# Altium PCB Processor_unit.PcbDoc (part 1 of 2) (continued)
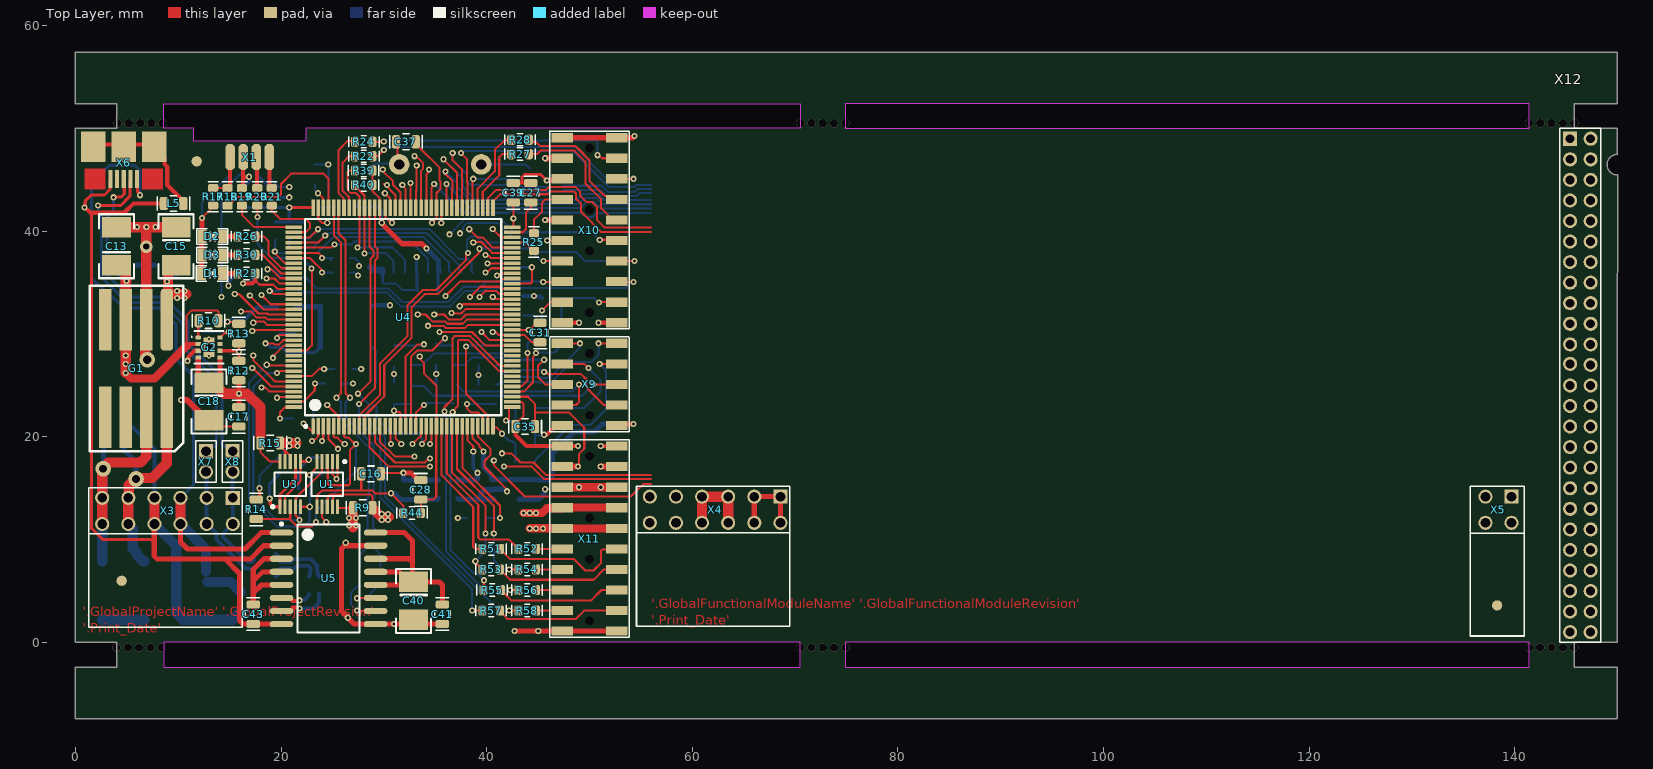
[diagram p0: Top Layer view]
## Footprints (in the part's own frame and the unit in brackets; to place one, negate y for a bottom-side part, rotate by r counter-clockwise, add the part's x,y. Pads: shape width x height; smd on the part's side, far side on the other; paste and mask are expansions set on the pad) (continued)
  silkscreen extent -39,-551 496,35, body extent -13,-550 504,50, height 200
PLD2-50 [mil]
  rect 54x54 hole 34: 1(0,0)
  round 54 hole 34: 2(78.74,0) 3(0,-78.74) 4(78.74,-78.74) 5(0,-157.48) 6(78.74,-157.48) 7(0,-236.22) 8(78.74,-236.22) 9(0,-314.96) 10(78.74,-314.96) 11(0,-393.7) 12(78.74,-393.7) 13(0,-472.44) 14(78.74,-472.44) 15(0,-551.18) 16(78.74,-551.18) 17(0,-629.92) 18(78.74,-629.92) 19(0,-708.66) 20(78.74,-708.66) 21(0,-787.4) 22(78.74,-787.4) 23(0,-862.2) 24(78.74,-866.14) 25(0,-944.88) 26(78.74,-944.88) 27(0,-1023.62) 28(78.74,-1023.62) 29(0,-1102.36) 30(78.74,-1102.36) 31(0,-1181.1) 32(78.74,-1181.1) 33(0,-1259.84) 34(78.74,-1259.84) 35(0,-1338.58) 36(78.74,-1338.58) 37(0,-1417.32) 38(78.74,-1417.32) 39(0,-1496.06) 40(78.74,-1496.06) 41(0,-1574.8) 42(78.74,-1574.8) 43(0,-1653.54) 44(78.74,-1653.54) 45(0,-1732.28) 46(78.74,-1732.28) 47(0,-1811.02) 48(78.74,-1811.02) 49(0,-1889.76) 50(78.74,-1889.76)
  silkscreen extent -39,-1929 118,39, body extent -69,-2071 148,181, height 220
"SD-card holder" [mm] "SD-card"
  rect 0.7x1.6 smd: 1(2.225,10.5) 2(1.125,10.5) 3(0.025,10.5) 4(-1.075,10.5) 5(-2.175,10.5) 6(-3.275,10.5) 7(-4.375,10.5) 8(-5.475,10.5) Gd(-6.575,10.5)
  rect 1.2x2 smd: MP0(-7.75,0.4) MP0(7.75,0.4)
  rect 1.2x1.4 smd: MP0(-7.75,10)
  round 2 hole 1: MP0(-4.93,0) MP0(3.05,0)
  rect 1.6x1.4 smd: MP0(6.85,10)
  silkscreen extent -7.3,-3.6 7.4,10.2, body extent -8,-3.98 8,11.27, height 1.93
SMD_0603#1 [mm]
  rrect50% 0.8x1 smd: 1(0,0) 2(1.7,0)
  silkscreen extent -0.64,-0.6 2.32,0.6, body extent 0.04,-0.42 1.68,0.43, height 0.43
SMD_0603#2 [mm]
  rect 0.8x1 smd: 1(0,0) 2(1.7,0)
  silkscreen extent -0.64,-0.6 2.32,0.6, body extent 0.04,-0.42 1.68,0.43, height 0.43
SMD_0805#1 [mm]
  rrect50% 0.8x1.3 smd: 1(0,0) 2(1.9,0)
  silkscreen extent -0.64,-0.76 2.54,0.76, body extent -0.05,-0.62 1.95,0.63, height 0.43
SMD_0805#2 [mm]
  rect 0.8x1.3 smd: 1(0,0) 2(1.9,0)
  silkscreen extent -0.64,-0.76 2.54,0.76, body extent -0.05,-0.62 1.95,0.63, height 0.43
SMD_7050_Crystal_Oscillator [mm]
  rrect50% 2x2 smd: 1(0,0)
  rect 2x2 smd: 2(5.08,0) 3(5.08,4) 4(0,4)
  silkscreen extent -1.22,-0.72 6.32,4.72, body extent -0.95,-0.5 6.05,4.52, height 1.52
SMD_size_B [mm]
  rect 2x2.8 smd: 1(0,0) 2(3.683,0)
  silkscreen extent -1.27,-1.7 4.95,1.7, body extent 0.1,-1.4 3.6,1.4, height 1.9
SMD_size_C [mm]
  rect 2.3x2.5 smd: 1(0,0) 2(5.7,0)
  silkscreen extent -1.4,-1.8 7.1,1.8, body extent -0.2,-1.6 5.8,1.6, height 2.5
SOIC-16-WIDE [mm] "SOIC, 16-Leads, Body 10.3x7.5mm, Pitch 1.27mm, IPC Medium Density"
  oval 2.3x0.6 smd: 1(0,-0.005) 2(0,-1.275) 3(0,-2.545) 4(0,-3.815) 5(0,-5.085) 6(0,-6.355) 7(0,-7.625) 8(0,-8.895) 9(9.15,-8.895) 10(9.15,-7.625) 11(9.15,-6.355) 12(9.15,-5.085) 13(9.15,-3.815) 14(9.15,-2.545) 15(9.15,-1.275) 16(9.15,-0.005)
  silkscreen extent -0.12,-9.7 7.6,0.97, body extent -0.67,-9.62 9.82,0.73, height 2.65
TDN_5_WISM [mm] "DC/DC converter case"
  rect 6x1.2 smd: 1(0,0) 2(0,2) 3(0,4) 4(0,6) 6(9.5,2) 7(9.5,4) 8(9.5,6)
  rrect50% 6x1.2 smd: 5(9.5,0)
  silkscreen extent -3.3,-1.6 12.8,7.5, body extent -2.29,-1.56 11.91,7.54, height 10.13
TSOT-5 [mm]
  rect 0.95x0.6 smd: 1(0,0) 2(0,-0.95) 3(0,-1.9) 4(2.45,-1.9) 5(2.45,0)
  silkscreen extent -0.72,-2.65 3.17,0.97, body extent -0.28,-2.5 2.72,0.6, height 1.1
"USB Micro-BF smd" [mm]
  rect 2.4x3 smd: 0(-2.975,-3.125) 0(0,-3.125) 0(2.975,-3.125)
  rect 0.4x1.75 smd: 1(-1.3,0) 2(-0.65,0) 3(0,0) 4(0.65,0) 5(1.3,0)
  Top Layer region: -2.3,-2
  Top Layer region: -1.8,1 -1.8,-1 -3.8,-1 -3.8,1
  Top Layer region: 3.8,1 3.8,-1 1.8,-1 1.8,1
  body extent -3.93,-4.45 3.87,0.55, height 2.93
uSiL-8 [mm] "microSiP 9-pin 3.0x2.8mm"
  rrect50% 0.5x0.4 smd: 1(0,0)
  rect 0.5x0.4 smd: 2(0,-0.65) 3(0,-1.3) 4(0,-1.95) 5(2.1,-1.95) 6(2.1,-1.3) 7(2.1,-0.65) 8(2.1,0)
  rect 1.1x1.9 smd: 9(1.05,-0.975)
  silkscreen extent -0.7,-2.55 2.45,0.6, body extent -0.35,-2.47 2.45,0.53, height 1.53
VSSOP-10 [mm] "Small Outline Package, 10-pin, 3x3mm, 1.1mm height"
  rrect50% 1.45x0.3 smd: 1(0,0)
  rect 1.45x0.3 smd: 2(0,-0.5) 3(0,-1) 4(0,-1.5) 5(0,-2) 6(4.4,-2) 7(4.4,-1.5) 8(4.4,-1) 9(4.4,-0.5) 10(4.4,0)
  silkscreen extent -0.12,-2.55 3.35,0.83, body extent -0.25,-2.55 4.65,0.55, height 1.1

## Part data
C1 C2 C3 C4 C5 C6 C7 C8 C9 C12 C14 C16 C17 C19 C20 C21 C22 C23 C24 C25 C26 C27 C28 C29 C30 C31 C32 C33 C34 C35 C36 C37 C38 C39 C41 C42 C43 C45 C46: library part Capacitor, "Capacitor", Назначение=SMD-конденсатор, Наименование=Конденсатор, Потребление, Вт=0
C10 C11 C13 C15 C18 C40 C44: library part Capacitor_pol, "Polarized capacitor", Назначение="Поляризованный SMD-конденсатор", Наименование="Поляризованный конденсатор", Потребление, Вт=0
G1: library part TDN_5, "DC/DC converter", DataSheet=https://www.tracopower.com/sites/default/files/products/datasheets/tdn5wi_datasheet.pdf, Назначение="DC-DC преобразователь", Наименование="TDN 5-4821WI", Потребление, Вт=0,01
G2: "17-V Input 3-A Step-Down Converter MicroSiP™ Module with Integrated Inductor", ComponentLink1Description="Data sheet", ComponentLink1URL=http://www.ti.com/lit/ds/symlink/tps82130.pdf, DataSheet=https://www.ti.com/lit/ds/symlink/tps82130.pdf?ts=1592813288219&ref_url=https%253A%252F%252Fwww.google.com%252F, Назначение="17-V Input 3-A Step-Down Converter MicroSiP™ Module with Integrated Inductor", Наименование=TPS82130, Потребление, Вт=1,0
GK1: library part Crystal_Oscillator, "Crystall oscillator, CMOS, 3.3V, SMD7050", ComponentLink1Description=DataSheet, ComponentLink1URL=http://www.lit-phonon.ru/downloads/GK108-P.pdf, Назначение="Кварцевый генератор", Наименование=VCC1-B3B-10M, Потребление, Вт=0,165
L1 L2 L3 L5: library part Inductor, "Inductor", Назначение=SMD-индуктивность, Наименование=Индуктивность, Потребление, Вт=0,010
L4 L6: library part Inductor_coupled, "Coupled inductor", Назначение="Связанная индуктивность", Наименование=PLT10HH1026R0PN, Потребление, Вт=0,1
R1 R2 R3 R4 R5 R6 R7 R8 R9 R10 R11 R12 R13 R14 R15 R16 R17 R18 R19 R20 R21 R22 R23 R24 R25 R26 R27 R28 R29 R30 R31 R32 R33 R34 R35 R36 R37 R38 R39 R40 R41 R42 R43 R44 R45 R46 R47 R48 R49 R50 R51 R52 R53 R54 R55 R56 R57 R58: library part Resistor, "Resistor", Назначение=SMD-резистор, Наименование=Резистор, Потребление, Вт=0,001
U1 U3: library part INA226, "High- or Low-Side Measurement, Bidirectional Current and Power Monitor With I2C Interface", ComponentLink1Description="Data sheet", ComponentLink1URL=http://www.ti.com/lit/ds/symlink/ina226.pdf, DataSheet=https://www.ti.com/lit/ds/symlink/ina226.pdf?ts=1592809211957&ref_url=https%253A%252F%252Fwww.google.com%252F, Назначение="High-Side or Low-Side Measurement,", Наименование=INA226, Потребление, Вт=0,001
U2: "Micropower, Low Noise Precision Voltage Reference with Shutdown, 2.5 V Output, 2.8 to 15 V Supply, Industrial, 5-pin SOT23 (UJ-5), Reel", DataSheet=https://www.analog.com/media/en/technical-documentation/data-sheets/ADR390.pdf, Назначение="Источник опорного напряжения", Наименование=ADR390, Потребление, Вт=0,001
U4: library part STM32F405ZGT, "ARM Cortex-M4 32-bit MCU+FPU, 210 DMIPS, 1024 kB Flash, 192 kB Internal RAM, 114 I/Os, 144-pin LQFP, -40 to 105 degC, Tray", ComponentLink1Description=Datasheet, ComponentLink1URL=http://www.st.com/st-web-ui/static/active/en/resource/technical/document/datasheet/DM00037051.pdf, DataSheet=https://www.st.com/content/ccc/resource/technical/document/reference_manual/3d/6d/5a/66/b4/99/40/d4/DM00031020.pdf/files/DM00031020.pdf/jcr:content/translations/en.DM00031020.pdf, HalManual=https://www.st.com/resource/en/user_manual/dm00105879-description-of-stm32f4-hal-and-ll-drivers-stmicroelectronics.pdf, Назначение="ARM Cortex-M4 32-bit MCU+FPU", Наименование=STM32F405ZGT7, Потребление, Вт=0.2
U5: library part ADuM4160, "Quad Channel Digital Isolator, 2.5 KV rms Insulation Rating", DataSheet=https://www.analog.com/media/en/technical-documentation/data-sheets/ADuM4160.pdf, Назначение="цифровой изолятор шины USB", Наименование=ADuM4160, Потребление, Вт=0,025
X1: library part "EDGE 2X4", Назначение="Разъем для прошивки МК", Потребление, Вт=0
X2: library part "SD-card holder", "SD-card holder", Назначение="Слот под SD-карту", Наименование=SD-card
X3 X4: library part PLD2-12, "Header, 12-Pin, Dual row", Назначение="Header, 12-Pin, Dual row", Наименование=PLD2-12, Потребление, Вт=0,0
X5: library part PLD2-4, "Header, 4-Pin, Dual row", Назначение="Header, 4-Pin, Dual row", Наименование=PLD2-4, Потребление, Вт=0,0
X6: library part MicroUSB, "USB mico-BF", Назначение="Разъем на плату", Наименование=Micro-BF, Потребление, Вт=0
X7 X8: library part PLD2-2, "Header, 2-Pin, Dual row", Назначение="Header, 2-Pin, Dual row", Наименование=PLD2-2, Потребление, Вт=0,0
X9: library part PLD2-10, "Header, 10-Pin, Dual row", Назначение="Header, 10-Pin, Dual row", Наименование=PLD2-10, Потребление, Вт=0,0
X10 X11: library part PLD2-20, "Header, 12-Pin, Dual row", Назначение="Header, 20-Pin, Dual row", Наименование=PLD2-20, Потребление, Вт=0,0
X12: library part PLD2-50, "Header, 50-Pin, Dual row", Назначение="Header, 20-Pin, Dual row", Наименование=PLD2-50, Потребление, Вт=0,0
D1 D2 D3: Назначение=Светодиод, Наименование=SMD-LED, Потребление, Вт=0,01

## Free pads (board coordinates)
  round 1.524 hole 0.762: 2(2.7,16.9) 3(5.9,15.9)
  round 1 smd far side mask+2: 4(3,30.2) 4(34,3.6) 4(138.3,3.6)
  round 1 smd mask+2: 4(4.5,6) 4(11.8,46.8) 4(138.3,3.6)

## Via types
v1: diameter 0.6, hole 0.3, Top Layer to Bottom Layer, 243 vias
v2: diameter 0.8, hole 0.8, Top Layer to Bottom Layer, 30 vias
v3: diameter 0.5, hole 0.2, Top Layer to Bottom Layer, 2 vias
v4: diameter 1.2, hole 0.6, Top Layer to Bottom Layer, 1 vias
v5: diameter 1.5, hole 0.8, Top Layer to Bottom Layer, 1 vias
v6: diameter 1.1, hole 0.8, Top Layer to Bottom Layer, 1 vias

## Nets (pads, with @x,y where several pads share a name; then routed paths per layer and width w, separated by ;. In a path a pad name is that pad's centre, name@x,y a point inside that pad or via, vN(x,y) a via of type N, cw(c..) or ccw(c..) an arc to the next point about the centre after c; other vN are vias at no path point)
2V048: C20.2 U2.3 U2.4 U4.32 X9.9 | length 25
  Top Layer w0.2: U4.32@38.625,21.025 38.625,19.875 39.312,19.188 39.312,19.05 39.7,18.662 v1(39.7,18.59)
  Top Layer w0.5: X9.9@52.649,21.1 52.783,21.233 54.281,21.233 v1(54.3,21.252)
  Bottom Layer w0.5: v1(39.7,18.59) 39.7,17.073 40.475,16.298 40.475,15.905 40.525,15.855 U2.4@43.15,15.855 44.745,15.855 C20.2@44.8,15.8 46,15.8 46.4,16.2 46.4,18.4 48.5,20.5 50.5,20.5 51.252,21.252 v1(54.3,21.252)
3.3V: C16.2 C22.2 C23.2 C24.2 C25.2 C29.2 C30.2 C31.2 C32.2 C33.2 C34.2 C35.2 C36.2 C37.2 C38.2 C39.2 GK1.1 GK1.4 L1.1 R14.1 R15.2 R16.2 R23.2 R34.2 R35.2 R36.2 R37.2 R38.2 R39.2 R40.2 R43.2 R44.1 U1.6 U3.2 U3.6 U3.8 U3.9 U4.6 U4.17 U4.30 U4.39 U4.52 U4.62 U4.72 U4.84 U4.95 U4.108 U4.121 U4.131 U4.144 X1.B3 X2.4 X10.4 X11.3 X11.4 | length 160.7
  Top Layer w0.2: R23.2@17.5,35.9 17.5,35.2 17.907,34.793 18.641,34.793 ; v1(18.5,29.1) 19.251,29.1 19.351,29 19.848,29 20.2,29.351 20.2,29.4 U4.131@21.25,29.4 ; 18.651,34.793 19.264,34.793 19.657,34.4 U4.121@21.25,34.4 ; R15.2@19.9,19.4 19.9,19.125 20.4,18.625 ; v1(19.9,21.8) 19.9,22.4 20.4,22.9 U4.144@21.25,22.9 ; U3.2@20.4,13.2 20.4,14.2 21.9,15.7 U3.6@21.9,17.6 ; U3.9@20.4,17.6 20.4,18.625 ; U3.8@20.9,17.6 20.9,18.175 20.575,18.5 20.525,18.5 20.4,18.625 ; U1.6@23.5,13.2 23.5,14.3 24,14.8 28.866,14.8 29.166,14.5 v1@30.7,14.5 ; v1(24.5,23.112) 24.5,23.1 25.625,21.975 U4.6@25.625,21.025 ; R39.2@28.9,45.9 28.904,45.896 28.904,43.9 29.6,43.204 29.6,42.3 U4.95@29.625,42.275 29.625,41.107 29.8,40.932 v1(29.8,40.824) ; v1(30.71,14.51) v1@30.7,14.5 ; U4.17@31.125,21.025 31.125,19.875 v1(31.7,19.3) ; R44.1@31.9,12.6 31.9,13.3 v1@30.7,14.5 ; C37.2@33.115,48.489 33.454,48.15 33.457,48.15 35.4,46.207 35.4,44.948 35.5,44.848 35.5,44.099 35.125,43.724 U4.84@35.125,42.275 35.125,41.225 34.724,40.824 v1(34.7,40.824) ; v1(36,33.7) 37.4,35.1 41.249,35.1 41.524,35.375 42.475,35.375 U4.62@42.5,35.4 ; U4.30@37.625,21.025 37.642,21.008 37.642,16.984 41.3,13.326 v1(41.3,12.1) ; U4.39@42.5,23.9 44,23.9 44.7,23.2 44.7,22.4 ; U4.52@42.5,30.4 v1(44.1,30.4) 44.196,30.4 44.896,31.1 C31.2@45.2,31.1 ; U4.72@42.5,40.4 42.525,40.4 42.6,40.475 v1(42.6,41.23) C39.2@42.6,42.8 ; C35.2@44.7,21 44.7,22.4 ; v1(48.9,17.1) 48.9,17.208 49,17.308 49,18.351 49.5,18.851 49.5,20.9 48.045,22.355 44.745,22.355 44.7,22.4
  Top Layer w0.22: 27.8,14.9 C16.2@27.8,16.4
  Top Layer w0.3: R14.1@17.6,13.9 17.9,14.2 v1(17.9,15) ; v1(20.8,42.3) 22.9,42.3 ; U3.6@21.9,17.6 v1@22.7,17.6
  Top Layer w0.4: v1(16.3,34.903) 17.203,34.903 17.5,35.2
  Top Layer w0.5: v1(29.8,40.824) 29.8,40.797 29.85,40.747 29.85,40.713 31.778,38.785 33.715,38.785 34.083,38.417 34.083,38.383 v1(34.153,38.314)
  Top Layer w0.6: v1(45.7,47.1) X10.4@47.35,47.1 ; X11.4@47.35,17.1 v1(48.9,17.1) ; v1(51.1,17.1) X11.3@52.65,17.1
  Top Layer w1: R15.2@19.9,19.4 21.5,19.4
  Bottom Layer w0.2: v1(17.9,15) 17.9,16.2 v1(20.8,19.1) ; v1(19.9,21.8) C36.2@21.2,21.8 ; R43.2@26,25.2 26.1,25.1 26.2,25.2 v1(27,25.2) ; C32.2@27.2,42.3 29.5,42.3 29.8,42 v1(29.8,40.824) ; C30.2@40,12.1 v1(41.3,12.1)
  Bottom Layer w0.3: R16.2@16.193,42.509 16.402,42.3 v1(20.8,42.3) ; X1.B3@17.596,47.206 17.596,45.565 19.861,43.3 v1(20.8,43.3) ; v1(18.5,29.1) 18.581,29.1 18.981,28.7 20.1,28.7 20.6,28.2 C34.2@21.3,28.2 23.32,28.2 GK1.4@23.82,28.7 ; R38.2@19.4,40.9 R37.2@20.8,40.9 ; R34.2@21.7,15 C24.2@21.7,16.6 ; C38.2@21.9,42.3 v1(20.8,42.3) ; C24.2@21.999,17.074 22.725,17.8 22.806,17.8 22.989,17.983 R35.2@23.817,17.983 ; R36.2@22.2,40.9 R37.2@20.8,40.9 ; C32.2@27.2,42.3 27.2,42.354 C32.2@27.446,42.6 ; C25.2@35.222,34.2 35.289,34.266 35.289,35.934 X2.4@35.355,36 ; R37.2@20.8,40.9 v1(20.8,42.3)
  Bottom Layer w0.4: v1(16.3,34.903) 17.066,34.903 17.3,35.138 17.3,35.7 C33.2@17.5,35.9
  Bottom Layer w0.5: C29.2@21.5,32.6 21.55,32.65 23.77,32.65 GK1.1@23.82,32.7 GK1.4@23.82,28.7 ; v1(30.71,14.51) 30.729,14.491 31.064,14.491 31.65,13.905 C22.2@33.6,13.905 35.2,13.905 L1.1@35.3,14.005 ; v1(34.153,38.314) 35.306,37.161 35.306,36.194 X2.4@35.4,36.1
  other v1: 22.7,17.775 21.6,19.1 20.8,19.7 21.6,19.7
3V3: C40.1 C41.2 U5.12 U5.13 U5.14 U5.16 | length 24.5
  Top Layer w0.5: U5.12@29.2,5.6 32.617,5.6 C40.1@32.9,5.883 ; U5.13@29.2,6.87 31.513,6.87 32.5,5.883 C40.1@32.9,5.883 ; U5.14@29.2,8.14 32.46,8.14 32.8,7.8 ; U5.16@29.2,10.68 32.02,10.68 32.8,9.9 32.8,7.8 ; C41.2@35.7,3.7 35.7,5.59 35.407,5.883 C40.1@32.9,5.883 ; 32.8,7.8 32.8,5.983 C40.1@32.9,5.883
3V3A: C21.2 L1.2 U2.1 U2.2 U4.33 | length 14.8
  Top Layer w0.2: U4.33@39.125,21.025 39.15,21 39.15,20.05 40.4,18.8 40.4,18.25 39.8,17.65 39.8,17.068 42,14.868 v1(42,14.701)
  Bottom Layer w0.5: L1.2@37.2,14.005 37.3,13.905 C21.2@39,13.905 C21.2@39.25,13.905 ; C21.2@39.275,13.93 40.675,13.93 U2.1@40.7,13.955 ; C21.2@39.4,14.055 39.4,14.42 39.835,14.855 40.65,14.855 U2.2@40.7,14.905 41.769,14.905 41.973,14.701 v1(42,14.701)
10MHz: GK1.3 R41.2 | length 3.9
  Bottom Layer w0.2: GK1.3@28.9,28.7 29.259,28.341 29.259,25.159 R41.2@29.1,25
+5V: R9.2 U1.8 U1.9 X11.7 X11.8 | length 19.3
  Top Layer w0.2: U1.8@24.5,13.2 24.55,13.25 24.55,14.15 24.8,14.4 25.4,14.4 ; U1.9@25,13.2 25.05,13.25 25.05,14.05 25.4,14.4 ; R9.2@28.9,13.1 28.9,14.2 28.7,14.4 25.4,14.4
  Top Layer w0.8: v1(43.6,12.6) 45.4,12.6 45.855,13.055 47.305,13.055 X11.8@47.35,13.1 47.375,13.125 52.625,13.125 X11.7@52.65,13.1
  Top Layer w1: R9.2@28.9,13.1 28.9,13.05 29.75,12.2 30.5,12.2
  other v1: 29.8,11.9 30.4,11.9 29.8,12.5 30.4,12.5 44.2,12.6 44.8,12.6
-5V: C14.1 C15.2 G1.5 X11.9 X11.10 | length 20.6
  Top Layer w0.8: v1(44.2,11.1) X11.10@47.35,11.1 47.375,11.075 52.625,11.075 X11.9@52.65,11.1
  Top Layer w1: C15.2@9.8,36.7 9.5,36.7 9,36.2 G1.5@9,33.9 ; 10.8,33.9 G1.5@9,33.9 ; G1.5@9,33.9 9,31.5 G1.5@8.9,31.4 8.9,33.8 G1.5@9,33.9
  Bottom Layer w0.6: v1(8.9,35.1) 9.6,35.8 ; 9.7,35.8 C14.1@9.7,36.7
  other v1: 44.8,11.1 45.5,11.1 9.9,33.5 10.6,33.5 9.9,34.2 10.6,34.2
A_GND: C1.1 C2.1 C3.1 C4.1 C5.1 C6.1 C7.1 C8.1 C20.1 C21.1 C45.1 C46.1 L2.2 U2.5 U4.31 X9.10 X10.19 X10.20 | length 26
  Top Layer w0.2: U4.31@38.125,21.025 38.125,19.675 38.7,19.1 v1(38.7,18.59)
  Top Layer w0.4: v1(45.6,20.2) 45.638,20.238 45.883,20.238 46.744,21.1 X9.10@47.349,21.1 ; X10.20@47.35,31.1 v1(49,31.1) ; v1(50.9,31.1) X10.19@52.65,31.1
  Bottom Layer w0.2: C5.1@31,25.3 C6.1@31,26.8 ; C8.1@35.1,25.1 v1(35.1,26.1) C7.1@35.1,27 ; C1.1@39.2,25.1 v1(39.2,26) C2.1@39.2,27 ; C3.1@44.7,19.29 44.7,20.14 ; C4.1@44.7,20.99 44.7,20.14 ; v1(45.6,20.2) 45.54,20.14 44.7,20.14
  Bottom Layer w0.3: v1(38.7,18.59) 38.7,16.981 39.1,16.581 v1(39.1,16.5)
  Bottom Layer w0.4: C46.1@43.6,33.7 v1(44.6,33.7) 44.638,33.662 45.238,33.662 C45.1@45.4,33.5
  Bottom Layer w0.5: L2.2@37.2,15.805 C21.1@39,15.805 39.1,15.905 v1(39.1,16.5) ; U2.5@43.15,13.955 43.177,13.928 44.772,13.928 C20.1@44.8,13.9 45.05,13.9 45.681,14.531 45.681,14.881 v1(45.7,14.9)
  other v1: 31,26.1
ADC_IN_1: R1.2 X9.1 | length 14.1
  Top Layer w0.2: v1(50.9,29.1) X9.1@52.649,29.1
  Bottom Layer w0.2: R1.2@40.9,25.1 41.15,25.1 41.388,25.338 41.556,25.338 41.567,25.35 45.136,25.35 45.186,25.3 46.014,25.3 46.064,25.35 46.352,25.35 48.302,27.3 50.225,27.3 50.9,27.975 v1(50.9,29.1)
ADC_IN_2: R2.2 X9.2 | length 12.3
  Top Layer w0.2: X9.2@47.349,29.1 v1(49.1,29.1)
  Bottom Layer w0.2: R2.2@40.9,27 41.086,27 41.379,26.708 41.379,26.521 42.1,25.8 45.251,25.8 45.351,25.7 45.848,25.7 45.948,25.8 46.2,25.8 49.023,28.623 49.023,29.023 v1(49.1,29.1) v1@49.1,28.992
ADC_IN_3: R3.2 X9.3 | length 15.5
  Top Layer w0.2: v1(51,27.1) X9.3@52.649,27.1
  Bottom Layer w0.2: R3.2@44.7,17.59 44.7,17.687 44.992,17.98 44.992,18.078 45.091,18.078 48.163,21.15 50.075,21.15 51.614,22.689 51.614,26.486 v1(51,27.1)
ADC_IN_4: R4.2 X9.4 | length 12.5
  Top Layer w0.2: X9.4@47.349,27.1 47.356,27.093 49.507,27.093 v1(49.9,26.7)
  Bottom Layer w0.2: R4.2@44.7,22.7 44.825,22.825 49.527,22.825 51.06,24.358 51.06,25.54 50.008,26.592 v1@49.9,26.592
ADC_IN_5: R5.2 X9.5 | length 20.9
  Top Layer w0.2: v1(50.4,25.1) X9.5@52.649,25.1
  Bottom Layer w0.2: R5.2@32.7,25.1 32.85,24.95 33.874,24.95 34.824,24 36.143,24 49.3,24 v1(50.4,25.1)
ADC_IN_6: R6.2 X9.6 | length 18.3
  Top Layer w0.2: 45,26.051 45,25.8 45.7,25.1 X9.6@47.349,25.1 ; 45,26.051 45,26.548 45,26.9 v1(45.6,27.5)
  Bottom Layer w0.2: R6.2@32.6,27 33.743,27 34.843,28.1 41.8,28.1 42.4,27.5 v1(45.6,27.5)
ADC_IN_7: R7.2 X9.7 | length 18.7
  Top Layer w0.2: v1(45.6,26.3) 45.6,26.5 46.017,26.083 46.183,26.083 46.2,26.1 49.196,26.1 49.714,25.582 49.714,24.786 51.4,23.1 X9.7@52.649,23.1
  Bottom Layer w0.2: R7.2@36.8,27 37.843,27 38.543,27.7 40.243,27.7 41.557,27.7 42.734,26.524 v1@45.6,26.524
ADC_IN_8: R8.2 X9.8 | length 16
  Top Layer w0.2: X9.8@47.349,23.1 48.7,23.1 49,23.4 v1(49,25.1)
  Bottom Layer w0.2: R8.2@37.096,25.1 37.35,24.846 37.35,24.8 37.75,24.4 48.3,24.4 v1(49,25.1)
ADC_MC_IN_1: C1.2 R1.1 U4.34 | length 6
  Top Layer w0.2: v1(38.1,23.2) 38.1,22.738 38.491,22.347 39.202,22.347 39.6,21.949 39.6,21.05 U4.34@39.625,21.025
  Bottom Layer w0.2: v1(38.1,23.2) 39.2,23.2 R1.1@40.9,23.2
ADC_MC_IN_2: C2.2 R2.1 U4.35 | length 11.6
  Top Layer w0.2: v1(38,28.8) 38,24.2 40.125,22.075 U4.35@40.125,21.025
  Bottom Layer w0.2: v1(38,28.8) 38.108,28.8 38.208,28.9 R2.1@40.9,28.9
ADC_MC_IN_3: C3.2 R3.1 U4.36 | length 4.8
  Top Layer w0.2: U4.36@40.65,21 U4.36@40.625,21.025 40.625,20.975 40.7,20.9 41,20.9 41.5,20.4 v1(41.5,20.3) v1@41.5,20.2
  Bottom Layer w0.2: v1(41.5,20.3) 42.2,19.6 42.508,19.6 42.8,19.308 C3.2@42.8,19.29 R3.1@42.8,17.59
ADC_MC_IN_4: C4.2 R4.1 U4.37 | length 5
  Top Layer w0.2: v1(41.9,21.6) 41.9,21.44 42.1,21.64 42.1,21.657 42.177,21.734 42.177,22.825 42.252,22.9 U4.37@42.5,22.9
  Bottom Layer w0.2: v1@41.9,21.497 42.38,21.497 42.4,21.478 42.508,21.478 42.8,21.185 C4.2@42.8,21.077 ; v1@41.9,21.497 v1(41.9,21.6) ; C4.2@42.8,20.99 C4.2@42.8,21.077 ; R4.1@42.8,22.7 C4.2@42.8,21.077
ADC_MC_IN_5: C5.2 R5.1 U4.18 | length 4.3
  Top Layer w0.2: v1(31,22.541) 31.117,22.424 31.477,22.423 31.625,22.275 U4.18@31.625,21.025
  Bottom Layer w0.2: v1(31,22.541) 31,23.2 R5.1@32.7,23.2
ADC_MC_IN_6: C6.2 R6.1 U4.19 | length 12
  Top Layer w0.2: U4.19@32.125,21.025 32.125,27.839 33.286,29 v1(33.9,29)
  Bottom Layer w0.2: C6.2@31,28.9 R6.1@32.6,28.9 33.8,28.9 v1(33.9,29)
ADC_MC_IN_7: C7.2 R7.1 U4.20 | length 13.5
  Top Layer w0.2: U4.20@32.625,21.025 32.625,27.774 33.251,28.4 34.698,28.4 35.888,29.591 v1(35.941,29.591)
  Bottom Layer w0.2: C7.2@35.1,28.9 C7.2@35.296,28.9 ; v1(35.941,29.591) 35.941,29.541 35.3,28.9 C7.2@35.296,28.9 ; R7.1@36.8,28.9 C7.2@35.296,28.9
ADC_MC_IN_8: C8.2 R8.1 U4.21 | length 5.4
  Top Layer w0.2: U4.21@33.125,21.025 33.125,22.325 v1(33.9,23.1)
  Bottom Layer w0.2: v1(33.9,23.1) 34.008,23.1 34.185,23.277 35.077,23.277 C8.2@35.1,23.3 R8.1@36.8,23.3
CAN_RX: R29.2 X10.11 | length 30.2
  Top Layer w0.2: v1@51.046,39.173 52.577,39.173 X10.11@52.65,39.1
  Layer 1 w0.2: v1@27.782,36.585 30.342,36.585 33.072,39.314 36.014,39.314 v1(36.4,39.7)
  Bottom Layer w0.2: R29.2@26.7,37.4 27.183,37.4 27.6,36.983 27.58,36.963 v1(27.58,36.61) ; v1(36.4,39.7) 37.915,41.215 41.385,41.215 42.7,39.9 50.246,39.9 ; v1@50.997,39.148 50.246,39.9 ; v1(51.009,39.136) 50.246,39.9
CAN_RX_2: U4.73 | length 18.8
  Top Layer w0.2: U4.73@40.625,42.275 40.625,42.9 41.325,43.6 41.5,43.6 44.957,43.6 45.123,43.6 45.931,43.6 46.176,43.845 46.251,43.845 47.63,43.845 48.524,43.845 48.7,43.669 48.7,43.175 49.2,42.675 49.2,41.875 49.487,41.587 51.158,39.917 56,39.917
CAN_TX: R31.2 X10.12 | length 23.8
  Top Layer w0.2: v1(45.9,39.1) X10.12@47.35,39.1
  Layer 1 w0.2: v1(27.5,35.7) 30.124,35.7 33.338,38.914 36.462,38.914 37.349,39.8 v1(37.4,39.8)
  Bottom Layer w0.2: R31.2@26.7,36 27.2,36 v1(27.5,35.7) ; v1(37.4,39.8) 37.4,39.908 37.714,40.222 37.714,40.449 38.081,40.815 41.085,40.815 42.5,39.4 45.583,39.4 45.883,39.1 v1(45.9,39.1)
CAN_TX_2: U4.74 | length 19.9
  Top Layer w0.2: U4.74@40.125,42.275 40.15,42.3 40.15,43.25 40.9,44 45.765,44 46.084,44.319 ; 46.051,44.284 46.084,44.317 48.618,44.317 49.1,43.835 49.1,43.466 49.741,42.825 50.3,42.825 50.725,42.4 50.725,41.106 51.476,40.355 56,40.355
CLK_SDIO: U4.113 X2.5 | length 15.4
  Top Layer w0.2: U4.113@21.25,38.4 24.9,38.4 v1(25.2,38.7)
  Bottom Layer w0.2: v1(25.2,38.7) 26.829,38.7 27.153,39.024 32.594,39.024 34.3,37.318 34.3,36.045 X2.5@34.255,36
CMD_SDIO: R38.1 U4.116 X2.3 | length 23.4
  Top Layer w0.2: v1(19.4,38.019) 19.4,37.851 20.326,36.925 21.225,36.925 U4.116@21.25,36.9
  Bottom Layer w0.2: R38.1@19.4,39.2 19.5,39.1 19.4,39 19.4,37.9 23.551,37.9 25.051,39.4 25.08,39.4 25.104,39.424 33.891,39.424 36.332,36.983 36.332,36.123 X2.3@36.455,36
D0_SDIO: R40.1 U4.98 X2.8 | length 11.3
  Top Layer w0.2: R40.1@27.2,44.5 27.2,44.4 28.125,43.475 U4.98@28.125,42.275 28.125,37.846 v1(28.124,37.844)
  Bottom Layer w0.2: v1(28.124,37.844) 28.176,37.897 30.137,37.897 30.955,37.079 X2.8@30.955,36
D1_SDIO: R39.1 U4.99 X2.7 | length 15.3
  Top Layer w0.2: 26.455,44.175 26.455,45.755 26.61,45.91 27.19,45.91 R39.1@27.2,45.9 ; 26.456,44.175 26.5,44.131 26.5,43.993 26.793,43.7 27.3,43.7 27.625,43.375 27.625,38.701 27.456,38.532 v1(27.456,38.424)
  Bottom Layer w0.2: v1(27.456,38.424) 27.476,38.444 30.841,38.444 32.055,37.23 X2.7@32.055,36
D2_SDIO: R36.1 U4.111 X2.1 | length 21.9
  Top Layer w0.2: U4.111@21.25,39.4 22.8,39.4 v1(23.6,40.2)
  Bottom Layer w0.2: R36.1@22.2,39.2 22.3,39.3 22.8,39.3 23.6,40.1 v1(23.6,40.2) 23.624,40.224 34.415,40.224 37.347,37.292 38.218,37.292 38.528,36.983 38.528,36.127 X2.1@38.655,36
D3_SDIO: R37.1 U4.112 X2.2 | length 23.1
  Top Layer w0.2: U4.112@21.25,38.9 23.6,38.9 24.276,39.576 v1(24.3,39.576)
  Bottom Layer w0.2: R37.1@20.8,39.2 20.8,38.6 21,38.4 23.1,38.4 v1@24.241,39.541 ; v1(24.3,39.576) 24.369,39.576 24.617,39.824 34.205,39.824 37.305,36.724 37.305,36.25 X2.2@37.555,36
D_IN_1_N: R48.2 U5.11 | length 4.6
  Top Layer w0.2: v1(27.4,4.3) 27.415,4.315 29.185,4.315 U5.11@29.2,4.33
  Bottom Layer w0.2: v1(27.4,4.3) 28.25,4.3 29.45,5.5 R48.2@29.7,5.5
D_IN_1_P: R47.2 U5.10 | length 5
  Top Layer w0.2: v1(27.4,3.1) 27.42,3.08 29.18,3.08 U5.10@29.2,3.06
  Bottom Layer w0.2: v1(27.4,3.1) 26.8,3.7 26.8,4.85 27.45,5.5 R47.2@27.7,5.5
D_IN_2_N: L6.1 R48.1 | length 2
  Bottom Layer w0.2: L6.1@29.2,9.2 29.2,9.05 29.7,8.55 R48.1@29.7,7.4
D_IN_2_P: L6.4 R47.1 | length 2
  Bottom Layer w0.2: R47.1@27.7,7.4 27.7,8.55 28.2,9.05 L6.4@28.2,9.2
D_IN_3_N: L6.2 U4.103 | length 33.5
  Top Layer w0.2: U4.103@25.625,42.275 25.6,42.25 25.6,41.351 25.6,39.785 26.275,39.11 26.275,24.225 v1(26.7,23.8)
  Bottom Layer w0.2: v1@26.704,23.794 26.694,23.794 26.275,23.375 26.275,21.9 29.001,19.174 29.001,14.567 29.091,14.477 29.091,14.029 28.969,13.908 28.969,12.507 ; 28.97,12.506 28.97,11.367 29,11.337 29,11.1 L6.2@29.2,10.9 L6.2@29.2,11.05
D_IN_3_P: L6.3 U4.104 | length 33.4
  Top Layer w0.2: U4.104@25.125,42.275 25.15,42.25 25.15,39.599 25.825,38.924 25.825,24.225 v1(25.4,23.8)
  Bottom Layer w0.2: v1(25.4,23.8) 25.4,23.692 25.508,23.692 25.825,23.375 25.825,21.714 28.551,18.988 28.551,14.253 28.429,14.131 28.429,12.283 ; L6.3@28.2,10.9 28.4,11.1 28.4,11.337 28.43,11.367 28.43,12.283
DAC_MC_Out_1: R49.1 U4.40 | length 8.7
  Top Layer w0.2: U4.40@42.5,24.4 43.616,24.4 44.506,25.29 44.506,27.756 44.8,28.05 v1(44.8,28.158)
  Bottom Layer w0.2: v1(44.8,28.158) 44.842,28.2 46.6,28.2 47.3,28.9 R49.1@47.3,29.415
DAC_MC_Out_2: R50.1 U4.41 | length 6.8
  Top Layer w0.2: U4.41@42.5,24.9 42.525,24.925 43.425,24.925 44,25.5 44,28.131 v1(43.973,28.158)
  Bottom Layer w0.2: v1(43.973,28.158) 43.973,28.193 43.987,28.207 43.987,29.087 44.315,29.415 R50.1@45.3,29.415
DAC_OUT_1: C45.2 R49.2 X10.17 | length 7.9
  Top Layer w0.2: v1(50.935,33.065) 50.971,33.1 X10.17@52.65,33.1
  Bottom Layer w0.2: R49.2@47.3,31.115 C45.2@47.3,33.5 50.5,33.5 v1(50.935,33.065)
DAC_OUT_2: C46.2 R50.2 X10.18 | length 5.5
  Top Layer w0.2: v1(45.4,32.3) 46.2,33.1 X10.18@47.35,33.1
  Bottom Layer w0.2: C46.2@43.6,31.8 44.55,31.8 45.235,31.115 R50.2@45.3,31.115 45.4,31.215 v1(45.4,32.3)
GND: C12.1 C13.2 C14.2 C15.1 C16.1 C17.1 C18.2 C19.1 C22.1 C23.1 C24.1 C25.1 C26.1 C27.1 C28.1 C29.1 C30.1 C31.1 C32.1 C33.1 C34.1 C35.1 C36.1 C37.1 C38.1 C39.1 C40.2 C41.1 D1.2 D2.2 D3.2 G1.6 G2.3 G2.9 GK1.2 L2.1 R13.1 R17.2 R42.2 U1.1 U1.2 U1.7 U3.1 U3.7 U4.16 U4.24 U4.38 U4.51 U4.61 U4.83 U4.94 U4.107 U4.120 U4.130 U5.9 U5.15 X1.B1 X1.B4 X2.6 X2.Gd X2.MP0 X10.1 X10.2 X10.6 X10.10 X11.1 X11.2 X11.5 X11.6 X11.19 X11.20 | length 201.7
  Top Layer w0.2: v1(12.3,41.3) 13.2,42.2 13.2,42.4 R17.2@13.3,42.5 ; C18.2@13,21.6 13.6,21 C17.1@15.9,21 ; v1(14.8,31.2) 14.816,31.184 15.416,31.184 15.6,31 R13.1@15.9,31 ; v1(18.6,35.4) 19.372,35.4 19.872,34.9 U4.120@21.25,34.9 ; v1(19.6,29.6) 19.6,29.692 19.808,29.9 U4.130@21.25,29.9 ; U4.107@23.625,42.275 23.625,41.175 24,40.8 24.476,40.8 v1(24.5,40.824) ; U1.7@24,13.2 24,12.149 24.4,11.749 v1(24.4,11.7) ; U1.2@25,17.6 25,16.349 25.4,15.949 v1(25.4,15.9) ; v1@25.5,16.108 U1.1@25.5,17.6 ; C16.1@29.7,16.4 29.8,16.5 v1(31.9,16.5) ; U4.94@30.125,42.275 30.15,42.25 30.15,41.351 30.6,40.9 30.723,40.9 v1(30.8,40.824) ; U4.16@30.625,21.025 30.65,21 30.65,19.35 v1(30.7,19.3) ; C37.1@31.2,48.7 31.35,48.55 31.35,46.65 X2.MP0@31.5,46.5 ; v1@34.5,19.4 34.5,19.508 34.625,19.633 U4.24@34.625,21.025 ; v1(35.584,40.816) 35.612,40.844 35.612,42.263 U4.83@35.625,42.275 ; v1(40.6,30.2) 40.908,30.2 41.208,29.9 U4.51@42.5,29.9 43.7,29.9 44.4,29.2 C31.1@45.2,29.2 ; C39.1@42.404,44.8 C39.1@42.6,44.8 ; U4.38@42.5,23.4 42.525,23.375 43.424,23.375 43.6,23.199 43.6,22.05 42.8,21.25 C35.1@42.8,21 ; U4.61@42.5,34.9 44.283,34.9 44.4,35.017 v1(44.4,36.5)
  Top Layer w0.3: v1(18.9,14) 18.957,13.943 18.957,13.443 19.2,13.2 U3.1@19.9,13.2 19.9,14.4 21.4,15.9 U3.7@21.4,17.6 ; C39.1@42.6,44.7 43.45,44.7 ; C27.1@44.3,44.7 43.45,44.7 ; v1(45.858,44.931) 45.289,45.5 43.7,45.5 43.45,45.25 43.45,44.7
  Top Layer w0.4: v1(10.898,27.398) 11,27.5 11,27.791 11.584,28.375 G2.3@11.95,28.375 ; C35.1@42.8,21 42.8,20.2 43.9,19.1 X11.2@47.35,19.1 v1(48.9,19.1) ; v1(51.1,19.1) X11.1@52.65,19.1
  Top Layer w0.5: D1.2@12.268,35.9 12.284,35.916 12.284,39.484 D2.2@12.3,39.5 v1(12.3,41.3) ; U5.15@29.2,9.41 26.19,9.41 25.897,9.117 25.897,8.703 25.9,8.7 25.9,3 27.11,1.79 U5.9@29.2,1.79 32.49,1.79 C40.2@32.9,2.2 33.3,1.8 C41.1@35.7,1.8 ; v1(31.9,16.5) 31.919,16.481 32.669,16.481 33.35,15.8 C28.1@33.6,15.8 ; v1(42.7,1.1) X11.20@47.35,1.1 X11.19@52.65,1.1 ; v1(45.7,41.1) X10.10@47.35,41.1 ; v1(45.858,44.931) 45.889,44.962 47.212,44.962 X10.6@47.35,45.1 ; X10.2@47.155,49.295 X10.2@47.35,49.1 X10.1@52.65,49.1 54.223,49.1 54.373,49.25 v1(54.4,49.25)
  Top Layer w0.6: v1(10.3,23.6) 10.851,23.6 11.9,22.551 11.9,22.3 12.6,21.6 C18.2@13,21.6
  Top Layer w0.8: X11.6@47.35,15.1 X11.5@52.65,15.1
  Top Layer w1: C13.2@4,40.383 6,40.383 v1@6.9,40.383 ; v5(7,27.5) 6.8,27.7 6.8,31.3 G1.6@6.9,31.4 v4(6.9,38.5) v1@6.9,40.383 ; C15.1@9.8,40.383 7.8,40.383 v1@6.9,40.383
  Bottom Layer w0.2: v1(12.3,41.3) 12.3,42.793 15.056,45.549 X1.B1@15.056,47.206 ; C19.1@13.9,31.3 14,31.2 v1(14.8,31.2) ; X1.B4@18.866,47.206 18.9,47.172 18.9,45.2 19.8,44.3 v1(20.8,44.3) ; v1(19.6,29.6) 19.6,29.649 19.549,29.7 19.949,30.1 C34.1@21.3,30.1 ; C36.1@23.1,21.8 23.1,22.05 23.16,22.11 23.16,22.852 23.3,22.992 v1(23.3,23.112) ; C26.1@23.3,46.5 v1@24.583,46.5 ; C38.1@23.8,42.3 24.55,42.3 ; v1(24.6,46.5) 24.6,42.35 24.55,42.3 ; C32.1@25.3,42.3 24.55,42.3 ; R42.2@26.9,26.6 v1(27.8,26.6) ; X2.MP0@28.68,46.1 29.18,46.6 31.4,46.6 X2.MP0@31.5,46.5 ; X2.Gd@29.855,36 29.9,35.955 29.9,35.017 30.017,34.9 31.2,34.9 31.8,34.3 33.222,34.3 33.239,34.284 C25.1@33.322,34.2 ; v1(37.2,12.1) C30.1@38.1,12.1 ; X2.MP0@39.48,46.5 43.78,46.5 X2.MP0@44.18,46.1 ; X2.MP0@43.28,36.5 v1(44.4,36.5)
  Bottom Layer w0.3: v1(18.9,14) 18.9,15.45 19.8,16.35 C24.1@19.8,16.6 ; X2.6@33.155,36 33.178,36.023 33.178,37.478 v1(33.2,37.5) ; C25.1@33.239,34.284 X2.6@33.239,35.916
  Bottom Layer w0.4: v1(14.8,31.2) 14.838,31.238 14.98,31.238 15.041,31.3 16.336,31.3 17.636,32.6 C29.1@19.6,32.6 ; GK1.2@28.9,32.7 29,32.8 v1(30.6,32.8)
  Bottom Layer w0.5: C12.1@6,36.7 6.85,36.7 ; v4(6.9,38.5) 6.9,36.75 6.85,36.7 ; C14.2@7.7,36.7 6.85,36.7 ; v1(14.9,34.7) 14.9,35.2 C33.1@15.6,35.9 ; v1(31.9,16.5) C23.1@31.9,15.805 C22.1@33.6,15.805 L2.1@35.3,15.805
  Bottom Layer w0.6: X2.MP0@28.68,36.5 28.93,36.25 29.805,36.25 29.855,36.2 X2.Gd@29.855,36
  other v1: 45.025,1.1 31,1.8 26.5,2.4 26.3,9.7 49,15.1 51.1,15.1 34.5,19.3 6,40.4 6.9,40.4 7.8,40.4
  other v3: 13,27.875 13,29.525
  other v6: 13,28.7
GND_IN: C9.1 C11.2 G1.2 L3.1 pad.2 X3.11 X3.12 X4.5 X4.6 X4.7 X4.8 X5.1 X5.2 X5.3 X5.4 | length 34.9
  Top Layer w1: X3.12@2.61,11.525 X3.11@2.61,14.065 2.61,16.914 3.196,17.5 6.314,17.5 6.9,18.086 G1.2@6.9,21.9 ; X4.8@60.96,11.64 X4.7@60.96,14.18 X4.5@63.5,14.18 X4.6@63.5,11.64
  Bottom Layer w0.5: L3.1@2.68,20.92 L3.1@2.8,20.8 ; pad.2@2.7,16.9 2.75,16.95 2.75,18.95 C9.1@2.8,19 L3.1@2.8,20.8 ; L3.1@2.8,20.9 L3.1@2.8,20.8
  Bottom Layer w1: C11.2@2.6,7.9 2.605,7.905 2.605,14.06 X3.11@2.61,14.065 2.655,14.11 2.655,16.855 pad.2@2.7,16.9
GPIO_1: R51.2 X11.11 | length 13.8
  Top Layer w0.2: R51.2@41.3,9.1 41.3,9.054 41.592,8.762 41.638,8.762 42.3,8.1 48.5,8.1 49.6,7 50.4,7 51.147,7.747 51.147,8.939 51.264,9.056 52.606,9.056 X11.11@52.65,9.1
GPIO_2: R52.2 X11.12 | length 2.6
  Top Layer w0.2: R52.2@44.796,9.1 X11.12@47.35,9.1
GPIO_3: R53.2 X11.13 | length 12.2
  Top Layer w0.2: R53.2@41.3,7.1 41.3,7.054 41.592,6.762 41.638,6.762 42.3,6.1 50.411,6.1 51.411,7.1 X11.13@52.65,7.1
GPIO_4: R54.2 X11.14 | length 2.6
  Top Layer w0.2: R54.2@44.796,7.1 X11.14@47.35,7.1
GPIO_5: R55.2 X11.15 | length 12.1
  Top Layer w0.2: R55.2@41.4,5.1 41.4,5.054 41.692,4.762 41.738,4.762 42.4,4.1 50.177,4.1 51.177,5.1 X11.15@52.65,5.1
GPIO_6: R56.2 X11.16 | length 2.6
  Top Layer w0.2: R56.2@44.796,5.1 X11.16@47.35,5.1